# Altium PCB core.PcbDoc (part 3 of 4) (continued)
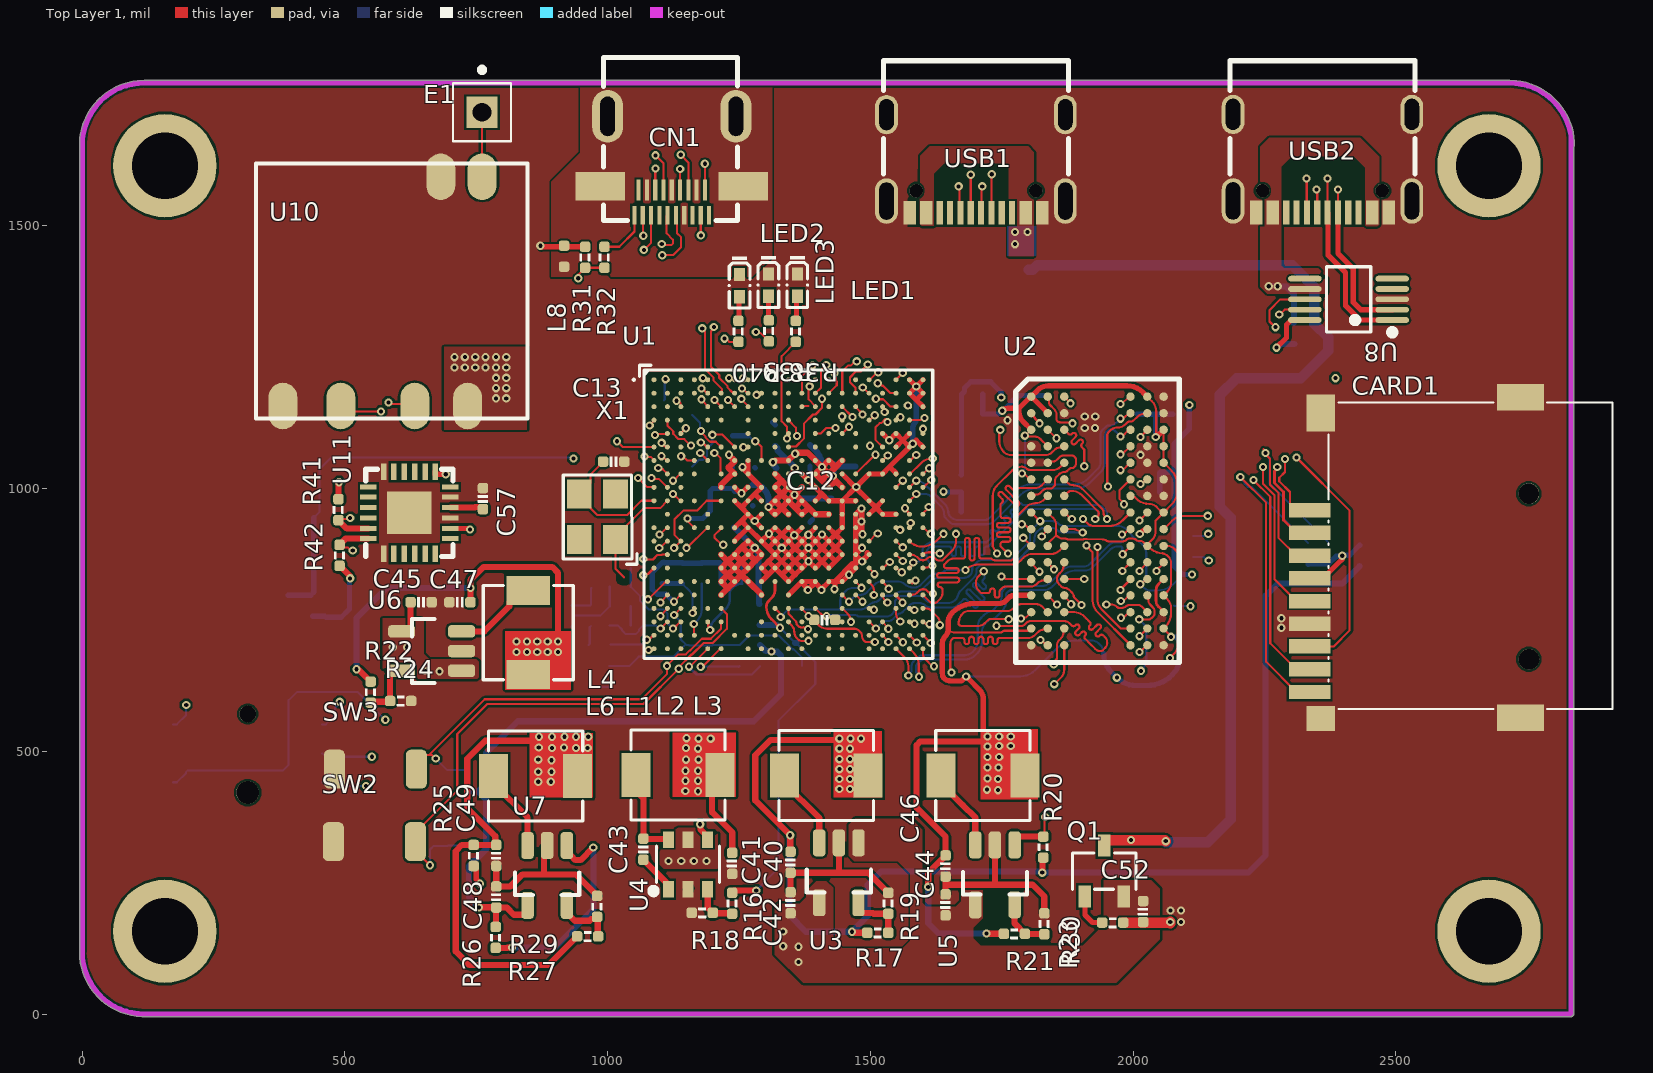
[diagram p0: Top Layer 1 view]
## Nets (pads, with @x,y where several pads share a name; then routed paths per layer and width w, separated by ;. In a path a pad name is that pad's centre, name@x,y a point inside that pad or via, vN(x,y) a via of type N, cw(c..) or ccw(c..) an arc to the next point about the centre after c; other vN are vias at no path point) (continued)
SDQ6: U1.U19 U2.H8 | length 655.1
  Top Layer 1 w4: U1.U19@1548.77,797.47 1548.77,796.39 1561.22,783.94 v1(1561.22,782.86) ; v1(2012,939) 2012,939.2 2027,954.2 U2.H8@2027,954.4
  Signal Layer 2 w4: v1(1561.22,782.86) 1559.32,784.76 1559.32,813.62 cw(c1571.46,813.62) 1562.88,822.21 1567.62,826.96 1577.99,834.95 cw(c1585.85,824.76) 1585.91,837.63 1591.21,837.61 1594.13,836.46 1606.76,823.82 ccw(c1618.41,835.46) 1618.41,819 1755,819 ccw(c1755,832.82) 1764.77,823.05 ccw(c1756.82,830.94) 1768,831.73 cw(c1788.52,831.73) 1774.01,846.23 1806,878.22 ; 1806.01,878.23 cw(c1819.95,864.27) 1819.95,884 1835.76,884 ccw(c1835.76,894.24) 1843,887 1845.47,889.47 ccw(c1836.93,898) 1849,897.99 1849,903.17 1849,929.22 1849,929.69 ; 1849,929.73 cw(c1876.31,929.69) 1857,949 ; 1857.02,949.02 cw(c1880.56,925.44) 1880.56,958.76 1907.5,958.76 1909.5,958.76 ccw(c1909.5,963.26) 1914,963.26 1914,967.01 cw(c1918.5,967.01) 1923,967.01 1923,963.26 ccw(c1927.5,963.26) 1927.5,958.76 1965.76,958.76 1965.97,958.76 1972.07,957.98 cw(c1965.76,932.83) 1974.07,957.39 cw(c1965.76,932.83) 1984.08,951.18 ; 1984.1,951.16 1988.29,946.97 ; 1988.29,946.97 ccw(c2007.53,966.22) 1992.97,943.23 ccw(c2007.53,966.22) 2007.53,939 v1(2012,939)
SDQ7: U1.U20 U2.H3 | length 650
  Top Layer 1 w4: U1.U20@1574.36,797.47 1576.99,797.47 ccw(c1576.99,816.29) 1580.34,797.77 ccw(c1576.99,816.29) 1590.29,802.97 1592.9,805.59 cw(c1599.19,799.3) 1599.19,808.2 1602.1,808.2 cw(c1602.1,801.19) 1607.05,806.14 1609.11,804.09 ccw(c1619.03,814.01) 1615.35,800.47 ccw(c1619.03,814.01) 1618.59,799.98 ccw(c1619.03,814.01) v1(1619.03,799.98) ; U2.H3@1869.01,954.4 1869.89,954.4 1882.51,941.78 v1(1883.39,941.78)
  Signal Layer 2 w4: 1626.5,795.68 1628.14,794.04 1628.5,794.04 ccw(c1628.5,798.54) 1633,798.54 1633,806.15 cw(c1637.5,806.15) 1642,806.15 1642,794.41 ccw(c1646.5,794.41) 1651,794.41 1651,806.15 cw(c1655.5,806.15) 1660,806.15 1660,794.41 ccw(c1664.5,794.41) 1669,794.41 1669,806.15 cw(c1673.5,806.15) 1678,806.15 1678,794.41 ccw(c1682.5,794.41) 1687,794.41 1687,806.15 cw(c1691.5,806.15) 1696,806.15 1696,794.41 ccw(c1700.5,794.41) 1705,794.41 1705,806.15 cw(c1709.5,806.15) 1714,806.15 1714,795.15 ccw(c1718.5,795.15) 1718.5,790.65 1726.73,790.65 ccw(c1726.73,804.96) 1736.87,794.87 1739.18,797.18 cw(c1749.38,786.98) 1749.38,801.4 1760.46,801.4 ccw(c1760.46,816.57) 1771.18,805.84 1771.94,806.6 ccw(c1759.4,819.14) 1777.14,819.14 1777.14,829.39 cw(c1798.06,829.39) 1783.27,844.18 1810.49,871.4 cw(c1821.59,860.3) 1821.59,876 1855.69,876 ccw(c1855.69,903.31) 1862.81,876.94 ccw(c1862.81,885.39) 1868.6,879.25 ccw(c1862.81,885.39) 1868.77,879.41 ; 1868.78,879.42 1873.95,884.58 ccw(c1868.99,889.54) 1876,889.54 1876,892.67 1876,894.68 ccw(c1871.5,894.68) 1871.5,899.18 1863.32,899.18 cw(c1863.32,903.68) 1863.32,908.18 1874.5,908.18 ccw(c1874.5,912.68) 1874.5,917.18 1864.07,917.18 cw(c1864.07,921.68) 1864.07,926.18 1871.5,926.18 ccw(c1871.5,930.68) 1876,930.68 1876,933.56 cw(c1877.99,933.56) 1876.58,934.97 v1(1883.39,941.78)
SDQ8: U1.J19 U2.A7 | length 687.3
  Top Layer 1 w4: U1.J19@1548.77,1002.2 v1(1561.57,1014.99) ; v1(1976,1161) 1978.56,1161 1992.44,1174.87 U2.A7@1995,1174.87
  Signal Layer 1 w4: v1(1561.57,1014.99) ccw(c1561.57,1031.34) 1569.84,1017.24 ccw(c1561.57,1031.34) 1573.11,1019.77 ; 1573.13,1019.78 1601.21,1047.87 ccw(c1596.9,1052.18) 1603,1052.18 1603,1054.7 cw(c1615.19,1054.7) 1606.57,1063.33 1612.1,1068.85 1629.9,1086.65 1636.95,1086.65 1638.95,1086.65 ccw(c1638.95,1091.15) 1643.45,1091.15 1643.45,1093.72 cw(c1647.95,1093.72) 1652.45,1093.72 1652.45,1081.15 ccw(c1656.95,1081.15) 1661.45,1081.15 1661.45,1093.72 cw(c1665.95,1093.72) 1670.45,1093.72 1670.45,1081.15 ccw(c1674.95,1081.15) 1679.45,1081.15 1679.45,1093.72 cw(c1683.95,1093.72) 1688.45,1093.72 1688.45,1081.15 ccw(c1692.95,1081.15) 1697.45,1081.15 1697.45,1093.72 cw(c1701.95,1093.72) 1706.45,1093.72 1706.45,1085.29 ccw(c1710.95,1085.29) 1715.45,1085.29 1715.45,1091.15 cw(c1719.95,1091.15) 1724.45,1091.15 ccw(c1728.95,1091.15) 1728.95,1086.65 1750.4,1086.65 ccw(c1750.4,1096.93) 1757.67,1089.66 1758.02,1090.02 ; 1758.02,1090.02 ccw(c1750.82,1097.21) 1761,1097.21 1761,1101.43 cw(c1780.85,1101.43) 1766.82,1115.47 1825.45,1174.1 cw(c1841.26,1158.29) 1841.26,1180.65 1879.55,1180.65 cw(c1879.55,1157.84) 1895.66,1173.99 ; 1895.68,1173.97 1902.36,1167.29 ccw(c1917.55,1182.48) 1917.55,1161 v1(1976,1161)
SDQ9: U1.H20 U2.A3 | length 681.5
  Top Layer 1 w4: U1.H20@1574.36,1027.79 1575.75,1027.79 1595.63,1047.67 ; 1595.65,1047.69 cw(c1618.66,1024.64) 1611.07,1056.31 cw(c1618.66,1024.64) v1(1618.66,1057.21) ; U2.A3@1869.01,1174.87 1869.01,1174.43 1881,1162.44 v1(1881,1162)
  Signal Layer 1 w4: 1625.33,1061.43 cw(c1635.52,1051.24) 1635.52,1065.65 1638.9,1065.65 1649.9,1065.65 cw(c1649.9,1061.15) 1654.4,1061.15 1654.4,1052.35 ccw(c1658.9,1052.35) 1663.4,1052.35 1663.4,1064.18 cw(c1667.9,1064.18) 1672.4,1064.18 1672.4,1052.35 ccw(c1676.9,1052.35) 1681.4,1052.35 1681.4,1064.18 cw(c1685.9,1064.18) 1690.4,1064.18 1690.4,1052.35 ccw(c1694.9,1052.35) 1699.4,1052.35 1699.4,1065.65 cw(c1703.9,1065.65) 1708.4,1065.65 1708.4,1052.28 ccw(c1712.9,1052.28) 1717.4,1052.28 1717.4,1067.41 cw(c1721.9,1067.41) 1726.4,1067.41 1726.4,1052.27 ccw(c1730.9,1052.27) 1735.4,1052.27 1735.4,1074.15 cw(c1739.9,1074.15) 1744.4,1074.15 1744.4,1055.53 ccw(c1748.9,1055.53) 1753.4,1055.53 1753.4,1061.15 cw(c1757.9,1061.15) 1757.9,1065.65 1762.89,1065.65 ccw(c1762.89,1072.25) 1764.72,1065.91 ccw(c1762.89,1072.25) 1767.55,1067.59 1768.5,1068.53 ccw(c1761,1071.31) 1769,1071.31 1769,1100.02 cw(c1784.25,1100.02) 1773.46,1110.8 1811.31,1148.65 1817.36,1148.65 1819.36,1148.65 ccw(c1819.36,1153.15) 1823.86,1153.15 1823.86,1156.7 cw(c1828.36,1156.7) 1832.86,1156.7 1832.86,1147.19 ccw(c1837.36,1147.19) 1841.86,1147.19 1841.86,1167.77 cw(c1846.36,1167.77) 1850.86,1167.77 1850.86,1153.15 ccw(c1855.36,1153.15) 1855.36,1148.65 1861.18,1148.65 ; 1863.26,1148.65 1861.18,1148.65 ; v1(1881,1162) ccw(c1881,1159.91) 1879.53,1161.39 1869.56,1151.43 cw(c1861.18,1162.7) 1861.18,1148.65
SDQ10: U1.H21 U2.C8 | length 684.8
  Top Layer 1 w4: U1.H21@1599.95,1027.79 1600.63,1027.79 1611.43,1038.58 v1(1612.11,1038.58) ; v1(2014,1098) 2014,1098.44 2027,1111.44 U2.C8@2027,1111.88
  Signal Layer 1 w4: v1(1612.11,1038.58) 1615.29,1038.58 1619.25,1034.62 ccw(c1628.82,1044.18) 1628.82,1030.65 1631.53,1030.65 1633.53,1030.66 ccw(c1633.53,1035.16) 1638.03,1035.16 1638.03,1035.85 cw(c1642.53,1035.85) 1647.03,1035.85 1647.03,1025.83 ccw(c1651.53,1025.83) 1656.03,1025.83 1656.03,1035.35 cw(c1660.53,1035.35) 1665.03,1035.35 1665.03,1025.83 ccw(c1669.53,1025.83) 1674.03,1025.83 1674.03,1035.35 cw(c1678.53,1035.35) 1683.03,1035.35 1683.03,1025.83 ccw(c1687.53,1025.83) 1692.03,1025.83 1692.03,1035.35 cw(c1696.53,1035.35) 1701.03,1035.35 1701.03,1025.83 ccw(c1705.53,1025.83) 1710.03,1025.83 1710.03,1035.28 cw(c1714.53,1035.28) 1719.03,1035.28 1719.03,1025.83 ccw(c1723.53,1025.83) 1728.03,1025.83 1728.03,1026.26 cw(c1732.53,1026.26) 1732.52,1030.76 1746.79,1030.77 1748.7,1030.78 ccw(c1748.63,1052.72) 1748.79,1030.78 ccw(c1748.63,1052.72) 1764.15,1037.2 1771.68,1044.74 ccw(c1758.84,1057.58) 1777,1057.58 1777,1096.94 cw(c1791.68,1096.94) 1781.29,1107.32 ; 1781.3,1107.33 1806.02,1132.04 cw(c1817.98,1120.08) 1817.98,1137 1820.02,1137 cw(c1820.02,1115.33) 1822.44,1136.86 ccw(c1822.86,1140.84) 1822.58,1136.85 cw(c1821.76,1124) 1825.95,1136.18 ccw(c1827.24,1139.96) 1826.09,1136.13 cw(c1820.02,1115.33) 1831.77,1133.54 ccw(c1838.74,1140.52) 1834.08,1131.83 ccw(c1838.74,1140.52) 1838.74,1130.65 1860.1,1130.65 ccw(c1860.1,1151.32) 1874.69,1136.69 1883.58,1145.58 cw(c1901.49,1127.68) 1901.49,1153 1927.24,1153 cw(c1927.24,1131.85) 1942.18,1146.82 1966.37,1122.63 ccw(c1979.96,1136.22) 1979.96,1117 1984.69,1117 cw(c1984.69,1092.12) 2002.29,1109.71 v1(2014,1098)
SDQ11: U1.J21 U2.C2 | length 686.4
  Top Layer 1 w4: U1.J21@1599.95,1002.2 1601.07,1002.2 1614.88,1016 v1(1616,1016) ; U2.C2@1837.51,1111.88 1837.64,1111.88 1853.87,1095.65 v1(1854,1095.65)
  Signal Layer 1 w4: v1(1616,1016) 1618.06,1013.94 ccw(c1632.41,1028.3) 1619.93,1012.29 ccw(c1632.41,1028.3) 1632.41,1008 1648.64,1008 1659.64,1008 cw(c1659.64,1003.5) 1664.14,1003.5 1664.14,995.15 ccw(c1668.64,995.15) 1673.14,995.15 1673.14,1008.3 cw(c1677.64,1008.3) 1682.14,1008.3 1682.14,995.15 ccw(c1686.64,995.15) 1691.14,995.15 1691.14,1008.3 cw(c1695.64,1008.3) 1700.14,1008.3 1700.14,995.15 ccw(c1704.64,995.15) 1709.14,995.15 1709.14,1008.3 cw(c1713.64,1008.3) 1718.14,1008.3 1718.14,995.15 ccw(c1722.64,995.15) 1727.14,995.15 1727.14,1008.3 cw(c1731.64,1008.3) 1736.14,1008.3 1736.14,995.15 ccw(c1740.64,995.15) 1745.14,995.15 1745.14,1009.3 cw(c1749.64,1009.3) 1754.14,1009.3 1754.14,995.15 ccw(c1758.64,995.15) 1763.14,995.15 1763.14,1013.5 cw(c1767.64,1013.5) 1772.14,1013.5 1772.14,994.75 ccw(c1776.64,994.75) 1781.14,994.75 1781.14,1011.08 cw(c1785.64,1011.08) 1790.14,1011.08 1790.14,999.92 ccw(c1794.64,999.92) 1799.14,999.92 1799.14,1003.5 cw(c1803.64,1003.5) 1803.64,1008 1812.9,1008 ; 1813.78,1008 1812.9,1008 ; v1(1854,1095.65) 1851.75,1093.41 1851.75,1085.75 1850.2,1084.2 cw(c1846.47,1087.94) 1846.47,1082.65 1839.07,1082.65 ccw(c1839.07,1068.01) 1828.71,1078.36 ccw(c1836.98,1070.1) 1827.61,1077.1 ccw(c1836.98,1070.1) 1826.41,1075.1 1825.29,1070.1 1825.29,1063.53 cw(c1820.79,1063.53) 1820.79,1059.03 ccw(c1820.79,1054.53) 1820.79,1050.03 1825.29,1050.03 cw(c1825.29,1045.53) 1825.29,1041.03 1818.21,1041.03 ccw(c1818.21,1036.53) 1818.21,1032.03 1820.79,1032.03 cw(c1820.79,1027.53) 1825.29,1027.53 1825.29,1025.53 1825.29,1020.38 cw(c1812.9,1020.38) 1821.66,1011.63 cw(c1812.9,1020.38) 1812.9,1008
SDQ12: U1.L20 U2.A2 | length 683.8
  Top Layer 1 w4: v1(1565.68,962.46) 1565.68,961.08 1574.36,952.4 U1.L20@1574.36,951.02 ; U2.A2@1837.51,1174.87 1839.81,1172.58 1839.81,1163.82 ccw(c1846.89,1163.82) 1841.88,1158.81 1850.09,1150.6 cw(c1840.65,1141.16) 1854,1141.16 1854,1132.77 ccw(c1863.14,1132.77) 1854.76,1129.13 1855.27,1128.61 ccw(c1861.85,1135.19) 1861.85,1125.88 1882.88,1125.88 v1(1884.75,1124.01)
  Signal Layer 1 w4: v1(1565.68,962.46) 1575.37,962.46 ccw(c1575.37,985.85) 1591.9,969.3 1600.57,977.97 ; 1600.58,977.98 cw(c1613.12,965.42) 1613.12,983.16 1620.88,983.16 cw(c1620.88,964.44) 1634.12,977.68 1638.15,973.65 1640.15,971.65 ccw(c1640.15,976.15) 1644.65,976.15 1644.65,976.94 cw(c1649.15,976.94) 1653.65,976.94 1653.65,971.8 ccw(c1658.15,971.8) 1662.65,971.8 1662.65,978.15 cw(c1667.15,978.15) 1671.65,978.15 1671.65,971.8 ccw(c1676.15,971.8) 1680.65,971.8 1680.65,978.15 cw(c1685.15,978.15) 1689.65,978.15 1689.65,971.8 ccw(c1694.15,971.8) 1698.65,971.8 1698.65,978.15 cw(c1703.15,978.15) 1707.65,978.15 1707.65,971.8 ccw(c1712.15,971.8) 1716.65,971.8 1716.65,978.15 cw(c1721.15,978.15) 1725.65,978.15 1725.65,971.8 ccw(c1730.15,971.8) 1734.65,971.8 1734.65,978.15 cw(c1739.15,978.15) 1743.65,978.15 1743.65,971.8 ccw(c1748.15,971.8) 1752.65,971.8 1752.65,978.15 cw(c1757.15,978.15) 1761.65,978.15 1761.65,973.15 ccw(c1766.15,973.15) 1766.15,968.65 1775.03,968.65 ; 1776.24,968.65 ccw(c1776.24,988.19) 1790.04,974.36 ; 1790.06,974.38 1794.9,979.22 1809.84,994.16 ; 1809.86,994.18 cw(c1821.08,982.91) 1812.84,996.51 1823.47,1002.95 ccw(c1812.9,1020.38) 1823.58,1003.02 ccw(c1812.9,1020.38) 1827.31,1005.97 1834.73,1013.38 ccw(c1822,1026.11) 1840,1026.11 1840,1056.87 cw(c1849.14,1056.87) 1842.68,1063.33 1845.35,1066.01 cw(c1849.33,1062.04) 1849.33,1067.65 1859.53,1067.65 ccw(c1859.53,1073.63) 1863.75,1069.4 1865.5,1071.15 ccw(c1857.05,1079.6) 1869,1079.6 1869,1102.66 cw(c1882.52,1102.66) 1872.94,1112.2 v1(1884.75,1124.01)
SDQ13: U1.L21 U2.D7 | length 679.8
  Top Layer 1 w4: U1.L21@1599.95,951.02 1599.95,952.48 1611,963.53 v1(1611,965) ; v1@1978.81,1065 1994.19,1080.39 U2.D7@1995,1080.39
  Signal Layer 1 w4: v1(1611,965) 1613.25,967.25 1625.13,967.25 cw(c1625.13,947.67) 1638.97,961.51 ccw(c1652.82,975.36) 1652.82,955.78 1766.1,955.78 ccw(c1766.1,962.05) 1770.53,957.61 cw(c1777.86,950.29) 1777.86,960.65 1779.18,960.65 ccw(c1779.18,981.1) 1793.64,966.64 1795.46,968.47 1815.49,988.5 cw(c1821.08,982.91) 1818.02,990.19 cw(c1821.08,982.91) 1819.31,990.61 ccw(c1818.39,994.5) 1819.39,990.63 1823.78,991.74 ccw(c1822.84,995.63) 1824.78,992.13 ccw(c1818.8,1003.03) 1827.58,994.24 1851.62,1018.27 1853.04,1019.69 ccw(c1849.85,1022.87) 1853.03,1026.05 1851.18,1027.91 cw(c1854.36,1031.09) 1851.18,1034.27 cw(c1854.36,1031.09) 1857.55,1034.27 1859.4,1032.42 ccw(c1862.58,1035.6) 1865.76,1032.42 ccw(c1862.58,1035.6) 1865.76,1038.78 1858.54,1046.01 cw(c1861.72,1049.19) 1858.54,1052.37 cw(c1861.72,1049.19) 1864.9,1052.37 1872.47,1044.8 ccw(c1875.65,1047.98) 1878.83,1044.8 ccw(c1875.65,1047.98) 1878.83,1051.17 1871.26,1058.74 cw(c1874.44,1061.92) 1871.26,1065.1 cw(c1874.44,1061.92) 1877.63,1065.1 1884.85,1057.87 ccw(c1888.04,1061.05) 1891.22,1057.87 1896.16,1062.82 cw(c1905.47,1053.44) 1905.47,1066.65 1915,1066.65 1917,1066.65 ccw(c1917,1071.15) 1921.5,1071.15 1921.5,1084.33 cw(c1926,1084.33) 1930.5,1084.33 1930.5,1050.69 ccw(c1935,1050.69) 1939.5,1050.69 1939.5,1084.33 cw(c1944,1084.33) 1948.5,1084.33 1948.5,1052.08 ccw(c1953,1052.08) 1957.5,1052.08 1957.5,1062.15 cw(c1962,1062.15) 1962,1066.65 1969.76,1066.65 v1@1976.35,1066.65
  other v1: 1976,1065
SDQ14: U1.M21 U2.C3 | length 695
  Top Layer 1 w4: U1.M21@1599.95,925.42 1601.43,925.42 1613.13,913.72 v1(1615,913.72) ; U2.C3@1869.01,1111.88 1875.61,1105.28 1877.02,1103.87 ccw(c1880.21,1107.05) 1883.39,1103.87 1884.09,1104.57 cw(c1887.28,1101.39) 1890.46,1104.57 cw(c1887.28,1101.39) 1890.46,1098.21 1883.9,1091.65 ccw(c1887.08,1088.47) 1883.9,1085.29 ccw(c1887.08,1088.47) 1890.27,1085.29 1896.82,1091.85 cw(c1900,1088.66) 1903.19,1091.85 cw(c1900,1088.66) 1903.19,1085.48 1902.48,1084.77 ccw(c1905.66,1081.59) 1902.48,1078.41 1907,1073.89 1907,1060.65 v1(1907,1042.25) ; 1904.75,1076.14 cw(c1899.28,1070.69) 1907,1070.69
  Signal Layer 1 w4: v1(1615,913.72) 1615,914.1 cw(c1638.9,914.1) 1615,914.53 cw(c1638.9,914.1) 1622,931 cw(c1630.82,922.18) 1630.82,934.65 1641.11,934.65 1643.11,934.65 ccw(c1643.11,939.15) 1647.61,939.15 1647.61,943.28 cw(c1652.11,943.28) 1656.61,943.28 1656.61,939.15 ccw(c1661.11,939.15) 1665.61,939.15 1665.61,943.28 cw(c1670.11,943.28) 1674.61,943.28 1674.61,939.34 ccw(c1679.11,939.34) 1683.61,939.34 1683.61,943.28 cw(c1688.11,943.28) 1692.61,943.28 1692.61,939.34 ccw(c1697.11,939.34) 1701.61,939.34 1701.61,943.28 cw(c1706.11,943.28) 1710.61,943.28 1710.61,939.34 ccw(c1715.11,939.34) 1719.61,939.34 1719.61,943.28 cw(c1724.11,943.28) 1728.61,943.28 1728.61,939.34 ccw(c1733.11,939.34) 1737.61,939.34 1737.61,943.28 cw(c1742.11,943.28) 1746.61,943.28 1746.61,939.34 ccw(c1751.11,939.34) 1751.11,934.84 1759.07,934.84 1768,943.77 1771.61,947.38 cw(c1784.33,934.66) 1784.33,952.65 ccw(c1784.33,968.65) 1795.66,957.35 ccw(c1784.33,968.65) 1795.76,957.46 1795.87,957.56 ; 1795.88,957.57 1814.19,975.88 cw(c1818.47,971.59) 1818.47,977.65 ccw(c1818.47,988.58) 1826.19,980.84 1828.25,982.9 1836.02,990.68 cw(c1839.21,987.5) 1842.39,990.68 1846.07,987 ccw(c1849.25,990.18) 1852.43,987 ccw(c1849.25,990.18) 1852.43,993.36 1848.41,997.38 cw(c1851.59,1000.57) 1848.41,1003.75 cw(c1851.59,1000.57) 1854.77,1003.75 1858.8,999.72 ccw(c1861.98,1002.91) 1865.16,999.72 ccw(c1861.98,1002.91) 1865.16,1006.09 1861.14,1010.11 cw(c1864.32,1013.29) 1861.14,1016.48 cw(c1864.32,1013.29) 1867.5,1016.48 1871.52,1012.45 ccw(c1874.71,1015.63) 1877.89,1012.45 ccw(c1874.71,1015.63) 1877.89,1018.82 1873.86,1022.84 cw(c1877.05,1026.02) 1873.86,1029.2 cw(c1877.05,1026.02) 1880.23,1029.2 1884.25,1025.18 ccw(c1887.43,1028.36) 1890.62,1025.18 ccw(c1887.43,1028.36) 1890.62,1031.54 1886.94,1035.23 cw(c1890.12,1038.41) 1886.94,1041.59 1887.6,1042.25 1899.95,1042.25 v1(1907,1042.25)
SDQ15: U1.M19 U2.B8 | length 654.4
  Top Layer 1 w4: U1.M19@1548.91,925.56 1550.11,925.56 1554.25,921.42 v1@1556.55,921.42 ; v1(1952,1003.65) 1950.66,1004.99 1950.66,1100.9 cw(c1959.75,1100.9) 1953.31,1107.31 ; 1953.33,1107.33 1955.99,1109.99 cw(c1970.5,1095.48) 1970.5,1116 1970.78,1116 ccw(c1970.78,1135.85) 1984.82,1121.82 1987.65,1124.65 cw(c1994.84,1117.47) 1992.65,1127.39 1995.05,1127.39 ccw(c1995.05,1136.47) 2001.46,1130.04 ; 2001.47,1130.05 2008.47,1137.05 ; 2008.48,1137.06 cw(c2019.74,1125.78) 2019.74,1141.72 2025.34,1141.72 U2.B8@2027,1143.38
  Signal Layer 2 w4: v1(1556.69,921.28) 1575.39,921.28 ccw(c1575.39,935.99) 1585.78,925.57 ; 1585.79,925.59 1599.14,938.94 cw(c1607.96,930.12) 1607.96,942.59 1771.02,942.59 ccw(c1771.02,965.13) 1786.22,948.49 ccw(c1771.02,965.13) 1786.95,949.19 1824.43,986.67 cw(c1841.62,969.48) 1841.62,993.79 1874.68,993.79 1885.68,993.79 cw(c1885.68,989.29) 1890.18,989.29 ccw(c1894.68,989.29) 1899.18,989.29 1899.18,993.65 cw(c1903.68,993.65) 1908.18,993.65 1908.18,989.15 ccw(c1912.68,989.15) 1917.18,989.15 cw(c1921.68,989.15) 1921.68,993.65 1933.53,993.65 ; 1933.67,993.79 ccw(c1933.67,1014.24) 1937.94,994.24 ccw(c1933.67,1014.24) v1@1948.12,999.77 ; v1@1948.13,999.78 v1(1952,1003.65)
SDQM0: U1.M20 U2.E7 | length 467.7
  Top Layer 1 w4: U1.M20@1574.36,925.42 1575.4,926.47 1575.4,931.75 cw(c1579.4,931.75) 1576.36,934.35 v1(1576.55,934.56) ; v1@1980.06,1035 1993.94,1048.89 U2.E7@1995,1048.89
  Signal Layer 2 w4: v1(1576.55,934.56) 1587.78,945.78 1588.09,946.09 cw(c1598.96,935.22) 1598.96,950.59 1676.77,950.59 1762.04,950.59 ccw(c1762.01,979.35) 1782.35,959.01 1816.12,992.79 ccw(c1814.96,996.62) 1817.81,993.81 ; 1817.82,993.82 cw(c1840,971.62) 1840,1003 1879.59,1003 ccw(c1879.59,1018.89) 1887.79,1005.28 cw(c1893.52,999.56) 1889.9,1006.8 cw(c1893.52,999.56) 1893.52,1007.65 1922.93,1007.65 ccw(c1922.93,1029.55) 1938.39,1014.05 1953.79,1029.44 cw(c1967.21,1016.02) 1967.21,1035 v1(1976,1035) ; v1@1977.5,1036.5 v1@1979,1035
SDQM1: U1.G20 U2.D3 | length 362.3
  Top Layer 1 w4: U1.G20@1574.36,1053.38 1575.62,1053.38 1585.89,1063.65 v1(1587.15,1063.65) ; v1(1747,1111.65) 1745.26,1109.91 1745.26,1089.56 ccw(c1772.42,1089.56) 1753.21,1070.35 1754.78,1068.78 ; 1754.8,1068.77 ccw(c1767.17,1081.17) 1767.17,1063.65 1833.73,1063.65 ccw(c1833.73,1080.19) 1845.42,1068.5 1850.95,1074.02 ; 1850.95,1074.03 cw(c1860.77,1064.2) 1860.77,1078.09 1866.71,1078.09 U2.D3@1869.01,1080.39
  Signal Layer 1 w4: v1(1587.15,1063.65) 1596.51,1073 cw(c1605.8,1063.71) 1602.32,1076.38 ccw(c1602.32,1090.86) 1605.97,1076.85 ccw(c1602.32,1090.86) 1612.55,1080.62 1634.49,1102.56 ; 1634.51,1102.58 cw(c1651.62,1085.42) 1651.62,1109.65 1745,1109.65 v1(1747,1111.65)
SDQS0_N: U1.R21 U2.G3 | length 639.7
  Top Layer 1 w4: U1.R21@1599.95,848.65 1600.99,849.7 1608.86,849.7 1612.18,853.01 cw(c1615.01,850.18) v1(1617.99,852.85) ; U2.G3@1869.01,985.9 1874.66,991.55 cw(c1888.16,978.05) 1877.45,993.86 cw(c1881.6,989.71) 1880.21,995.41 cw(c1881.6,989.71) 1881.6,995.57 1886.78,995.57 cw(c1881.73,967.37) 1901.99,987.63 1932.96,956.66 cw(c1928.9,952.6) 1934.64,952.6 cw(c1924.57,952.6) 1934.26,949.83 cw(c1924.57,952.6) 1931.69,945.47 v1(1928,941.78)
  Bottom Layer 1 w4: v1(1617.99,852.85) 1613.94,856.9 cw(c1630.7,873.65) 1611.3,860.04 cw(c1630.7,873.65) 1607,873.65 1607,877.7 cw(c1618.95,877.7) 1610.48,886.14 cw(c1618.95,877.7) 1618.95,889.65 1638.68,889.65 1649.68,889.65 cw(c1649.68,885.15) 1654.18,885.15 1654.18,875.75 ccw(c1658.68,875.75) 1663.18,875.75 1663.18,885.15 cw(c1667.68,885.15) 1672.18,885.15 1672.18,875.75 ccw(c1676.68,875.75) 1681.18,875.75 1681.18,885.15 cw(c1685.68,885.15) 1690.18,885.15 1690.18,875.75 ccw(c1694.68,875.75) 1699.18,875.75 1699.18,885.15 cw(c1703.68,885.15) 1708.18,885.15 1708.18,878.09 ccw(c1712.68,878.09) 1717.18,878.09 1717.18,885.15 cw(c1721.68,885.15) 1721.68,889.65 1724.31,889.65 1735,900.34 1795.31,960.65 1817,960.65 ; 1818.99,960.65 1924.48,960.65 cw(c1924.48,942.94) 1932.46,958.75 cw(c1929.51,955.8) 1933.69,955.8 1933.69,955.51 cw(c1914.27,955.51) v1(1928,941.78)
SDQS0_P: U1.R20 U2.F3 | length 628.1
  Top Layer 1 w4: U1.R20@1574.36,848.65 1574.36,849.6 v1@1580.48,855.72 ; U2.F3@1869.01,1017.39 1875.86,1010.54 ccw(c1886.45,1021.13) 1886.45,1006.15 cw(c1886.45,982.59) 1903.1,999.27 1940.66,961.71 cw(c1933.41,954.46) 1943.66,954.46 ccw(c1958.24,954.46) 1944.62,949.26 ccw(c1958.24,954.46) v1@1947.92,944.16 ; v1@1947.93,944.15 v1(1950.3,941.78)
  Bottom Layer 1 w4: v1(1581.51,859.21) 1583.45,859.21 ccw(c1583.45,881.21) 1591.75,860.84 1593.54,862.62 ccw(c1580.35,875.81) 1599,875.81 1599,881.04 cw(c1610.89,881.04) 1602.48,889.45 1605.08,892.05 cw(c1618.61,878.53) 1618.61,897.65 1721,897.65 1729,905.65 1730.42,907.07 ccw(c1727.23,910.25) 1730.42,913.43 1729.71,914.14 cw(c1732.89,917.32) 1729.71,920.5 cw(c1732.89,917.32) 1736.07,920.5 1736.78,919.8 ccw(c1739.96,922.98) 1743.14,919.8 ccw(c1739.96,922.98) 1743.14,926.16 1742.44,926.87 cw(c1745.62,930.05) 1742.44,933.23 cw(c1745.62,930.05) 1748.8,933.23 1749.51,932.52 ccw(c1752.69,935.71) 1755.87,932.52 ccw(c1752.69,935.71) 1755.87,938.89 1755.16,939.6 cw(c1758.35,942.78) 1755.16,945.96 cw(c1758.35,942.78) 1761.53,945.96 1762.24,945.25 ccw(c1765.42,948.43) 1768.6,945.25 ccw(c1765.42,948.43) 1768.6,951.62 1767.89,952.32 cw(c1771.07,955.51) 1767.89,958.69 cw(c1771.07,955.51) 1774.26,958.69 1774.96,957.98 ccw(c1778.15,961.16) 1781.33,957.98 ccw(c1778.15,961.16) 1781.33,964.34 1780.62,965.05 cw(c1783.8,968.23) 1780.62,971.42 cw(c1783.8,968.23) 1786.98,971.42 1788.43,969.97 ccw(c1791.61,973.15) 1791.61,968.65 1808,968.65 1930.93,968.65 cw(c1930.93,951.67) 1942.95,963.68 1946.62,960 cw(c1937.74,951.12) 1950.3,951.12 v1(1950.3,941.78)
SDQS1_N: U1.J20 U2.B7 | length 577.8
  Top Layer 1 w4: U1.J20@1574.36,1002.2 v1(1587.16,1014.99) ; v1(1976,1133) 1978.25,1135.25 1983.62,1135.25 1991.75,1143.38 U2.B7@1995,1143.38
  Bottom Layer 1 w4: v1(1587.16,1014.99) cw(c1587.16,992.77) 1602.87,1008.48 1608.24,1003.12 cw(c1598.25,988.47) 1610.79,1001.01 1642.2,969.6 cw(c1627.98,955.38) 1648.08,955.38 ccw(c1658.87,955.38) 1651.23,947.77 1654.4,944.6 ccw(c1665.5,955.7) 1665.5,940 1718,940 ccw(c1718,951) 1725.76,943.2 ccw(c1718,951) 1725.8,943.24 ccw(c1718,951) 1725.88,943.32 1725.96,943.4 1780.05,997.5 ; 1780.07,997.52 cw(c1804.57,972.98) 1804.57,1007.65 1886.96,1007.65 ccw(c1886.96,1046.38) 1914.32,1018.97 ; 1914.34,1018.99 1932.93,1037.58 ccw(c1920.69,1049.82) 1938,1049.82 1938,1102.44 cw(c1950.77,1102.44) 1941.74,1111.47 1948.03,1117.75 cw(c1953.45,1112.33) 1953.45,1120 1955.57,1120 ccw(c1955.57,1137.94) 1968.24,1125.24 v1(1976,1133)
SDQS1_P: U1.K20 U2.C7 | length 572.1
  Top Layer 1 w4: U1.K20@1574.36,976.61 v1(1587.16,989.4) ; v1(1976,1099) 1979.06,1099 1991.94,1111.88 U2.C7@1995,1111.88
  Bottom Layer 1 w4: v1(1587.16,989.4) 1603.65,989.4 cw(c1603.65,971.46) 1616.33,984.15 1634,966.48 cw(c1619.33,951.8) 1640.08,951.8 ccw(c1651.87,951.8) 1643.54,943.46 1650.88,936.12 ccw(c1660.82,946.05) 1660.82,932 1721.51,932 ccw(c1721.51,952.24) 1735.82,937.93 1785.95,988.06 ; 1785.97,988.08 cw(c1813.94,960.06) 1813.94,999.65 1891.27,999.65 ccw(c1891.27,1035.98) 1916.95,1010.29 1939.84,1033.18 ccw(c1924.98,1048.05) 1946,1048.05 1946,1099.05 cw(c1958.95,1099.05) 1949.79,1108.21 1953.59,1112 1958.29,1112 cw(c1958.29,1100.64) 1966.33,1108.67 v1(1976,1099)
SGND: CN1.4 CN1.7 CN1.10 CN1.13 CN1.16 CN1.20 CN1.21 CN1.22 CN1.23 L8.1
SODT0: U1.W11 U2.K1 | length 613.4
  Top Layer 1 w4: U1.W11@1344.05,746.29 1344.05,745.4 1350.09,739.35 cw(c1337.91,727.17) 1355.14,727.17 ccw(c1372.3,727.14) 1360.17,715 1362.68,712.49 cw(c1360.61,709.07) 1363.05,712.24 ccw(c1369.64,720.7) 1369.64,709.98 ccw(c1369.64,720.7) 1370.1,709.99 cw(c1370.24,705.99) 1370.21,709.99 1371.34,709.99 cw(c1371.34,705.99) 1371.65,709.98 1382.28,709.98 v1(1382.43,710.13) ; v1(1790.83,906.03) 1790.83,905.93 1806.02,890.75 U2.K1@1806.02,890.65
  Signal Layer 2 w4: v1(1382.43,710.13) 1384.68,712.37 1390.02,712.37 1390.65,713 1397.08,713 ccw(c1397.08,728.13) 1407.78,717.43 1435.98,745.64 ccw(c1426.29,755.33) 1440,755.33 1440,778.74 cw(c1460.77,778.74) 1446.07,793.41 ; 1446.08,793.42 1523.14,870.48 cw(c1534.28,859.34) 1534.28,875.09 1566.08,875.09 ccw(c1566.08,887.99) 1575.2,878.87 1595.28,898.95 ccw(c1588.76,905.47) 1597.98,905.47 1597.98,909.29 cw(c1612.12,909.29) 1602.12,919.29 1606.27,923.44 cw(c1613.89,915.81) 1613.89,926.59 1763.08,926.59 cw(c1763.08,907.61) 1776.48,921.04 1790.83,906.69 v1(1790.83,906.03)